# Altium PCB fpga.PcbDoc (part 1 of 11) (continued)
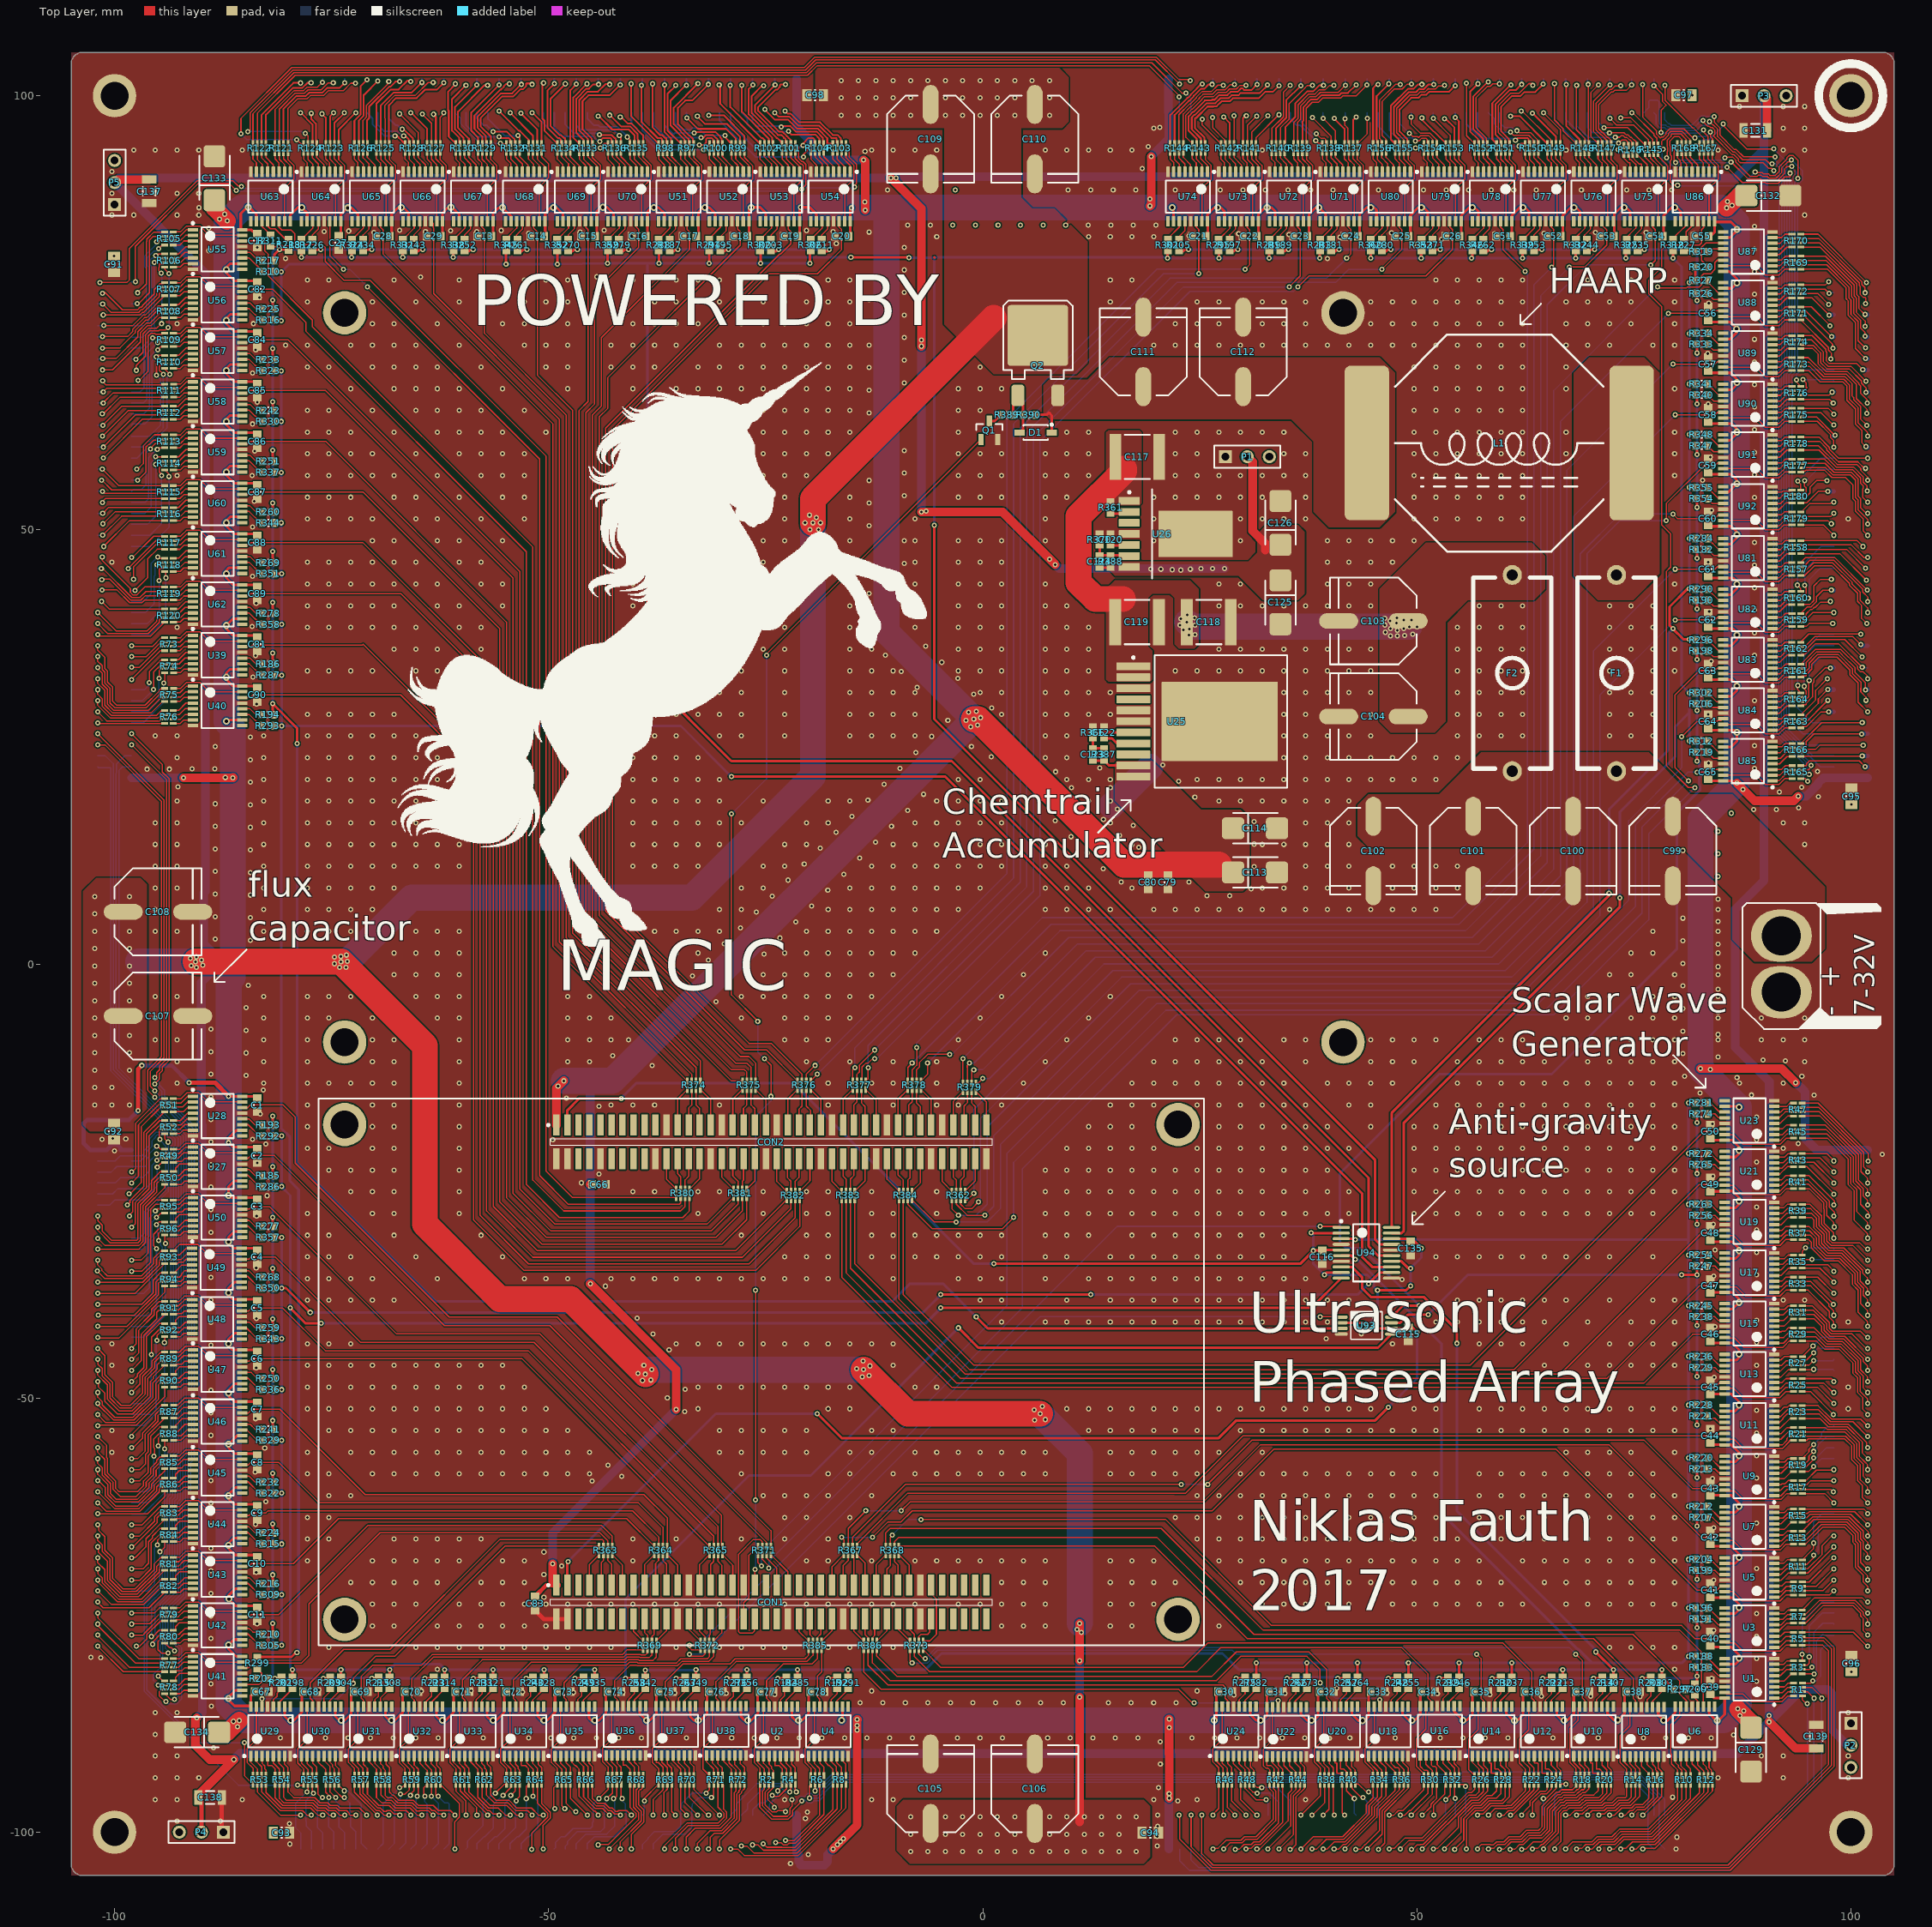
[diagram p0: Top Layer view]
## Components (designator, comment, footprint, x,y, rotation, side; value= is the part's Value field where it differs from the comment) (continued)
R10 "33" CAC-50P200X100-8N 80.772,-93.98 r270 top
R11 "33" CAC-50P200X100-8N 93.908,-69.4 r0 top
R12 "33" CAC-50P200X100-8N 83.312,-93.98 r270 top
R13 "33" CAC-50P200X100-8N 93.9,-66.086 r0 top
R14 "33" CAC-50P200X100-8N 74.93,-93.98 r270 top
R15 "33" CAC-50P200X100-8N 93.9,-63.538 r0 top
R16 "33" CAC-50P200X100-8N 77.466,-93.988 r270 top
R17 "33" CAC-50P200X100-8N 93.908,-60.256 r0 top
R18 "33" CAC-50P200X100-8N 69.084,-93.972 r270 top
R19 "33" CAC-50P200X100-8N 93.9,-57.72 r0 top
R20 "33" CAC-50P200X100-8N 71.628,-93.98 r270 top
R21 "33" CAC-50P200X100-8N 93.908,-54.144 r0 top
R22 "33" CAC-50P200X100-8N 63.242,-93.988 r270 top
R23 "33" CAC-50P200X100-8N 93.9,-51.608 r0 top
R24 "33" CAC-50P200X100-8N 65.786,-93.98 r270 top
R25 "33" CAC-50P200X100-8N 93.9,-48.51 r0 top
R26 "33" CAC-50P200X100-8N 57.404,-93.98 r270 top
R27 "33" CAC-50P200X100-8N 93.916,-45.978 r0 top
R28 "33" CAC-50P200X100-8N 59.944,-93.98 r270 top
R29 "33" CAC-50P200X100-8N 93.908,-42.672 r0 top
R30 "33" CAC-50P200X100-8N 51.55,-93.988 r270 top
R31 "33" CAC-50P200X100-8N 93.908,-40.132 r0 top
R32 "33" CAC-50P200X100-8N 54.114,-93.988 r270 top
R33 "33" CAC-50P200X100-8N 93.908,-36.83 r0 top
R34 "33" CAC-50P200X100-8N 45.716,-93.972 r270 top
R35 "33" CAC-50P200X100-8N 93.9,-34.286 r0 top
R36 "33" CAC-50P200X100-8N 48.256,-93.972 r270 top
R37 "33" CAC-50P200X100-8N 93.908,-30.988 r0 top
R38 "33" CAC-50P200X100-8N 39.624,-93.98 r270 top
R39 "33" CAC-50P200X100-8N 93.908,-28.448 r0 top
R40 "33" CAC-50P200X100-8N 42.16,-93.972 r270 top
R41 "33" CAC-50P200X100-8N 93.9,-25.134 r0 top
R42 "33" CAC-50P200X100-8N 33.794,-93.972 r270 top
R43 "33" CAC-50P200X100-8N 93.9,-22.602 r0 top
R44 "33" CAC-50P200X100-8N 36.318,-93.972 r270 top
R45 "33" CAC-50P200X100-8N 93.916,-19.316 r0 top
R46 "33" CAC-50P200X100-8N 27.94,-93.98 r270 top
R47 "33" CAC-50P200X100-8N 93.9,-16.776 r0 top
R48 "33" CAC-50P200X100-8N 30.468,-93.972 r270 top
R49 "33" CAC-50P200X100-8N -93.726,-22.098 r180 top
R50 "33" CAC-50P200X100-8N -93.726,-24.638 r180 top
R51 "33" CAC-50P200X100-8N -93.734,-16.268 r180 top
R52 "33" CAC-50P200X100-8N -93.726,-18.796 r180 top
R53 "33" CAC-50P200X100-8N -83.308,-93.972 r270 top
R54 "33" CAC-50P200X100-8N -80.768,-93.972 r270 top
R55 "33" CAC-50P200X100-8N -77.482,-93.988 r270 top
R56 "33" CAC-50P200X100-8N -74.93,-93.98 r270 top
R57 "33" CAC-50P200X100-8N -71.624,-93.972 r270 top
R58 "33" CAC-50P200X100-8N -69.088,-93.98 r270 top
R59 "33" CAC-50P200X100-8N -65.782,-93.972 r270 top
R60 "33" CAC-50P200X100-8N -63.246,-93.98 r270 top
R61 "33" CAC-50P200X100-8N -59.94,-93.988 r270 top
R62 "33" CAC-50P200X100-8N -57.404,-93.98 r270 top
R63 "33" CAC-50P200X100-8N -54.098,-93.972 r270 top
R64 "33" CAC-50P200X100-8N -51.558,-93.972 r270 top
R65 "33" CAC-50P200X100-8N -48.248,-93.972 r270 top
R66 "33" CAC-50P200X100-8N -45.732,-93.972 r270 top
R67 "33" CAC-50P200X100-8N -42.406,-93.972 r270 top
R68 "33" CAC-50P200X100-8N -39.874,-93.972 r270 top
R69 "33" CAC-50P200X100-8N -36.576,-93.98 r270 top
R70 "33" CAC-50P200X100-8N -34.036,-93.98 r270 top
R71 "33" CAC-50P200X100-8N -30.738,-93.972 r270 top
R72 "33" CAC-50P200X100-8N -28.194,-93.98 r270 top
R73 "33" CAC-50P200X100-8N -93.726,36.83 r180 top
R74 "33" CAC-50P200X100-8N -93.718,34.286 r180 top
R75 "33" CAC-50P200X100-8N -93.718,30.984 r180 top
R76 "33" CAC-50P200X100-8N -93.734,28.452 r180 top
R77 "33" CAC-50P200X100-8N -93.734,-80.768 r180 top
R78 "33" CAC-50P200X100-8N -93.726,-83.312 r180 top
R79 "33" CAC-50P200X100-8N -93.726,-74.93 r180 top
R80 "33" CAC-50P200X100-8N -93.734,-77.482 r180 top
R81 "33" CAC-50P200X100-8N -93.734,-69.1 r180 top
R82 "33" CAC-50P200X100-8N -93.734,-71.624 r180 top
R83 "33" CAC-50P200X100-8N -93.726,-63.246 r180 top
R84 "33" CAC-50P200X100-8N -93.726,-65.786 r180 top
R85 "33" CAC-50P200X100-8N -93.726,-57.404 r180 top
R86 "33" CAC-50P200X100-8N -93.734,-59.948 r180 top
R87 "33" CAC-50P200X100-8N -93.718,-51.566 r180 top
R88 "33" CAC-50P200X100-8N -93.718,-54.106 r180 top
R89 "33" CAC-50P200X100-8N -93.726,-45.466 r180 top
R90 "33" CAC-50P200X100-8N -93.718,-47.994 r180 top
R91 "33" CAC-50P200X100-8N -93.726,-39.624 r180 top
R92 "33" CAC-50P200X100-8N -93.718,-42.176 r180 top
R93 "33" CAC-50P200X100-8N -93.726,-33.782 r180 top
R94 "33" CAC-50P200X100-8N -93.726,-36.322 r180 top
R95 "33" CAC-50P200X100-8N -93.734,-27.952 r180 top
R96 "33" CAC-50P200X100-8N -93.726,-30.48 r180 top
R97 "33" CAC-50P200X100-8N -34.032,93.988 r90 top
R98 "33" CAC-50P200X100-8N -36.58,93.972 r90 top
R99 "33" CAC-50P200X100-8N -28.194,93.98 r90 top
R100 "33" CAC-50P200X100-8N -30.73,93.988 r90 top
R101 "33" CAC-50P200X100-8N -22.352,93.98 r90 top
R102 "33" CAC-50P200X100-8N -24.892,93.98 r90 top
R103 "33" CAC-50P200X100-8N -16.51,93.98 r90 top
R104 "33" CAC-50P200X100-8N -19.054,93.988 r90 top
R105 "33" CAC-50P200X100-8N -93.734,83.554 r180 top
R106 "33" CAC-50P200X100-8N -93.726,81.026 r180 top
R107 "33" CAC-50P200X100-8N -93.726,77.724 r180 top
R108 "33" CAC-50P200X100-8N -93.726,75.184 r180 top
R109 "33" CAC-50P200X100-8N -93.726,71.882 r180 top
R110 "33" CAC-50P200X100-8N -93.726,69.342 r180 top
R111 "33" CAC-50P200X100-8N -93.718,66.036 r180 top
R112 "33" CAC-50P200X100-8N -93.734,63.496 r180 top
R113 "33" CAC-50P200X100-8N -93.726,60.198 r180 top
R114 "33" CAC-50P200X100-8N -93.726,57.658 r180 top
R115 "33" CAC-50P200X100-8N -93.734,54.344 r180 top
R116 "33" CAC-50P200X100-8N -93.726,51.816 r180 top
R117 "33" CAC-50P200X100-8N -93.726,48.514 r180 top
R118 "33" CAC-50P200X100-8N -93.734,45.962 r180 top
R119 "33" CAC-50P200X100-8N -93.726,42.672 r180 top
R120 "33" CAC-50P200X100-8N -93.726,40.132 r180 top
R121 "33" CAC-50P200X100-8N -80.784,93.972 r90 top
R122 "33" CAC-50P200X100-8N -83.312,93.98 r90 top
R123 "33" CAC-50P200X100-8N -74.93,93.98 r90 top
R124 "33" CAC-50P200X100-8N -77.47,93.98 r90 top
R125 "33" CAC-50P200X100-8N -69.088,93.98 r90 top
R126 "33" CAC-50P200X100-8N -71.632,93.988 r90 top
R127 "33" CAC-50P200X100-8N -63.246,93.98 r90 top
R128 "33" CAC-50P200X100-8N -65.786,93.98 r90 top
R129 "33" CAC-50P200X100-8N -57.404,93.98 r90 top
R130 "33" CAC-50P200X100-8N -59.944,93.98 r90 top
R131 "33" CAC-50P200X100-8N -51.562,93.98 r90 top
R132 "33" CAC-50P200X100-8N -54.102,93.98 r90 top
R133 "33" CAC-50P200X100-8N -45.716,93.972 r90 top
R134 "33" CAC-50P200X100-8N -48.256,93.988 r90 top
R135 "33" CAC-50P200X100-8N -39.878,93.98 r90 top
R136 "33" CAC-50P200X100-8N -42.422,93.988 r90 top
R137 "33" CAC-50P200X100-8N 42.418,93.98 r90 top
R138 "33" CAC-50P200X100-8N 39.882,93.988 r90 top
R139 "33" CAC-50P200X100-8N 36.572,93.972 r90 top
R140 "33" CAC-50P200X100-8N 34.04,93.972 r90 top
R141 "33" CAC-50P200X100-8N 30.734,93.98 r90 top
R142 "33" CAC-50P200X100-8N 28.19,93.988 r90 top
R143 "33" CAC-50P200X100-8N 24.892,93.98 r90 top
R144 "33" CAC-50P200X100-8N 22.352,93.98 r90 top
R145 "33" CAC-50P200X100-8N 77.038,93.828 r90 top
R146 "33" CAC-50P200X100-8N 74.613,93.759 r90 top
R147 "33" CAC-50P200X100-8N 71.64,93.988 r90 top
R148 "33" CAC-50P200X100-8N 69.1,93.972 r90 top
R149 "33" CAC-50P200X100-8N 65.786,93.98 r90 top
R150 "33" CAC-50P200X100-8N 63.246,93.98 r90 top
R151 "33" CAC-50P200X100-8N 59.944,93.98 r90 top
R152 "33" CAC-50P200X100-8N 57.404,93.98 r90 top
R153 "33" CAC-50P200X100-8N 54.098,93.988 r90 top
R154 "33" CAC-50P200X100-8N 51.566,93.988 r90 top
R155 "33" CAC-50P200X100-8N 48.26,93.98 r90 top
R156 "33" CAC-50P200X100-8N 45.72,93.98 r90 top
R157 "33" CAC-50P200X100-8N 93.718,45.478 r0 top
R158 "33" CAC-50P200X100-8N 93.726,48.006 r0 top
R159 "33" CAC-50P200X100-8N 93.726,39.624 r0 top
R160 "33" CAC-50P200X100-8N 93.718,42.152 r0 top
R161 "33" CAC-50P200X100-8N 93.726,33.782 r0 top
R162 "33" CAC-50P200X100-8N 93.718,36.31 r0 top
R163 "33" CAC-50P200X100-8N 93.726,27.94 r0 top
R164 "33" CAC-50P200X100-8N 93.726,30.48 r0 top
R165 "33" CAC-50P200X100-8N 93.734,22.094 r0 top
R166 "33" CAC-50P200X100-8N 93.734,24.65 r0 top
R167 "33" CAC-50P200X100-8N 83.312,93.98 r90 top
R168 "33" CAC-50P200X100-8N 80.76,93.972 r90 top
R169 "33" CAC-50P200X100-8N 93.734,80.776 r0 top
R170 "33" CAC-50P200X100-8N 93.726,83.312 r0 top
R171 "33" CAC-50P200X100-8N 93.726,74.93 r0 top
R172 "33" CAC-50P200X100-8N 93.726,77.47 r0 top
R173 "33" CAC-50P200X100-8N 93.726,69.088 r0 top
R174 "33" CAC-50P200X100-8N 93.726,71.628 r0 top
R175 "33" CAC-50P200X100-8N 93.726,63.246 r0 top
R176 "33" CAC-50P200X100-8N 93.726,65.786 r0 top
R177 "33" CAC-50P200X100-8N 93.726,57.404 r0 top
R178 "33" CAC-50P200X100-8N 93.726,59.944 r0 top
R179 "33" CAC-50P200X100-8N 93.726,51.308 r0 top
R180 "33" CAC-50P200X100-8N 93.726,53.848 r0 top
R181 "47" R-0603-H 40.132,82.804 r90 top
R182 "47" R-0603-H 82.804,47.752 r0 top
R183 "47" R-0603-H 82.804,-81.026 r0 top
R184 "47" R-0603-H -22.606,-82.804 r270 top
R185 "47" R-0603-H -82.296,-24.384 r180 top
R186 "47" R-0603-H -82.296,34.544 r180 top
R187 "47" R-0603-H -36.068,82.804 r90 top
R188 "47" R-0603-H 82.804,-79.756 r0 top
R189 "47" R-0603-H 34.29,82.804 r90 top
R190 "47" R-0603-H 82.804,41.91 r0 top
R191 "47" R-0603-H 82.804,-75.438 r0 top
R192 "47" R-0603-H -16.764,-82.804 r270 top
R193 "47" R-0603-H -82.296,-18.542 r180 top
R194 "47" R-0603-H -82.358,28.702 r180 top
R195 "47" R-0603-H -30.226,82.804 r90 top
R196 "47" R-0603-H 82.804,-74.168 r0 top
R197 "47" R-0603-H 28.448,82.804 r90 top
R198 "47" R-0603-H 82.804,36.068 r0 top
R199 "47" R-0603-H 82.804,-69.85 r0 top
R200 "47" R-0603-H 82.042,-83.566 r270 top
R201 "47" R-0603-H -80.772,-82.804 r270 top
R202 "47" R-0603-H -83.058,-82.296 r180 top
R203 "47" R-0603-H -24.384,82.804 r90 top
R204 "47" R-0603-H 82.804,-68.58 r0 top
R205 "47" R-0603-H 22.606,82.804 r90 top
R206 "47" R-0603-H 82.804,29.972 r0 top
R207 "47" R-0603-H 82.804,-63.754 r0 top
R208 "47" R-0603-H 76.962,-82.804 r270 top
R209 "47" R-0603-H -75.184,-82.804 r270 top
R210 "47" R-0603-H -82.296,-77.216 r180 top
R211 "47" R-0603-H -18.542,82.804 r90 top
R212 "47" R-0603-H 82.804,-62.484 r0 top
R213 "47" R-0603-H 82.804,-58.166 r0 top
R214 "47" R-0603-H 71.374,-82.804 r270 top
R215 "47" R-0603-H -69.596,-82.804 r270 top
R216 "47" R-0603-H -82.296,-71.374 r180 top
R217 "47" R-0603-H -82.296,81.026 r180 top
R218 "47" R-0603-H -79.959,82.829 r90 top
R219 "47" R-0603-H 82.804,24.384 r0 top
R220 "47" R-0603-H 82.804,-56.896 r0 top
R221 "47" R-0603-H 82.804,-52.07 r0 top
R222 "47" R-0603-H 65.532,-82.804 r270 top
R223 "47" R-0603-H -63.246,-82.804 r270 top
R224 "47" R-0603-H -82.296,-65.532 r180 top
R225 "47" R-0603-H -82.296,75.438 r180 top
R226 "47" R-0603-H -77.216,82.804 r90 top
R227 "47" R-0603-H 80.772,82.804 r90 top
R228 "47" R-0603-H 82.804,-50.8 r0 top
R229 "47" R-0603-H 82.804,-46.482 r0 top
R230 "47" R-0603-H 59.69,-82.804 r270 top
R231 "47" R-0603-H -57.658,-82.804 r270 top
R232 "47" R-0603-H -82.296,-59.69 r180 top
R233 "47" R-0603-H -82.296,69.596 r180 top
R234 "47" R-0603-H -71.374,82.804 r90 top
R235 "47" R-0603-H 75.438,82.804 r90 top
R236 "47" R-0603-H 82.804,-45.212 r0 top
R237 "47" R-0603-H 60.96,-82.804 r270 top
R238 "47" R-0603-H 82.804,-40.64 r0 top
R239 "47" R-0603-H 53.594,-82.804 r270 top
R240 "47" R-0603-H -51.816,-82.804 r270 top
R241 "47" R-0603-H -82.296,-53.594 r180 top
R242 "47" R-0603-H -82.296,63.754 r180 top
R243 "47" R-0603-H -65.532,82.804 r90 top
R244 "47" R-0603-H 69.596,82.804 r90 top
R245 "47" R-0603-H 82.804,-39.37 r0 top
R246 "47" R-0603-H 54.864,-82.804 r270 top
R247 "47" R-0603-H 82.804,-34.798 r0 top
R248 "47" R-0603-H 47.752,-82.804 r270 top
R249 "47" R-0603-H -45.974,-82.804 r270 top
R250 "47" R-0603-H -82.296,-47.752 r180 top
R251 "47" R-0603-H -82.296,57.912 r180 top
R252 "47" R-0603-H -59.69,82.804 r90 top
R253 "47" R-0603-H 63.5,82.804 r90 top
R254 "47" R-0603-H 82.804,-33.528 r0 top
R255 "47" R-0603-H 49.022,-82.804 r270 top
R256 "47" R-0603-H 82.804,-28.956 r0 top
R257 "47" R-0603-H 41.91,-82.804 r270 top
R258 "47" R-0603-H -40.132,-82.804 r270 top
R259 "47" R-0603-H -82.296,-41.91 r180 top
R260 "47" R-0603-H -82.296,52.07 r180 top
R261 "47" R-0603-H -53.594,82.804 r90 top
R262 "47" R-0603-H 57.658,82.804 r90 top
R263 "47" R-0603-H 82.804,-27.686 r0 top
R264 "47" R-0603-H 43.18,-82.804 r270 top
R265 "47" R-0603-H 82.804,-23.114 r0 top
R266 "47" R-0603-H 36.068,-82.804 r270 top
R267 "47" R-0603-H -34.29,-82.804 r270 top
R268 "47" R-0603-H -82.296,-36.068 r180 top
R269 "47" R-0603-H -82.296,46.228 r180 top
R270 "47" R-0603-H -47.752,82.804 r90 top
R271 "47" R-0603-H 51.816,82.804 r90 top
R272 "47" R-0603-H 82.804,-21.844 r0 top
R273 "47" R-0603-H 37.338,-82.804 r270 top
R274 "47" R-0603-H 82.804,-17.272 r0 top
R275 "47" R-0603-H 30.226,-82.804 r270 top
R276 "47" R-0603-H -28.448,-82.804 r270 top
R277 "47" R-0603-H -82.296,-30.226 r180 top
R278 "47" R-0603-H -82.296,40.386 r180 top
R279 "47" R-0603-H -41.91,82.804 r90 top
R280 "47" R-0603-H 45.974,82.804 r90 top
R281 "47" R-0603-H 82.804,-16.002 r0 top
R282 "47" R-0603-H 31.496,-82.804 r270 top
R283 "47" R-0603-H 38.862,82.804 r90 top
R284 "47" R-0603-H 82.804,49.022 r0 top
R285 "47" R-0603-H -21.336,-82.804 r270 top
R286 "47" R-0603-H -82.296,-25.654 r180 top
R287 "47" R-0603-H -82.296,33.274 r180 top
R288 "47" R-0603-H -37.338,82.804 r90 top
R289 "47" R-0603-H 33.02,82.804 r90 top
R290 "47" R-0603-H 82.804,43.18 r0 top
R291 "47" R-0603-H -15.494,-82.804 r270 top
R292 "47" R-0603-H -82.296,-19.812 r180 top
R293 "47" R-0603-H -82.358,27.432 r180 top
R294 "47" R-0603-H -31.496,82.804 r90 top
R295 "47" R-0603-H 27.178,82.804 r90 top
R296 "47" R-0603-H 82.804,37.338 r0 top
R297 "47" R-0603-H 80.264,-83.566 r0 top
R298 "47" R-0603-H -79.502,-82.804 r270 top
R299 "47" R-0603-H -83.566,-80.518 r270 top
R300 "47" R-0603-H -25.654,82.804 r90 top
R301 "47" R-0603-H 21.336,82.804 r90 top
R302 "47" R-0603-H 82.804,31.242 r0 top
R303 "47" R-0603-H 78.232,-82.804 r270 top
R304 "47" R-0603-H -73.914,-82.804 r270 top
R305 "47" R-0603-H -82.296,-78.486 r180 top
R306 "47" R-0603-H -19.812,82.804 r90 top
R307 "47" R-0603-H 72.644,-82.804 r270 top
R308 "47" R-0603-H -68.326,-82.804 r270 top
R309 "47" R-0603-H -82.296,-72.644 r180 top
R310 "47" R-0603-H -82.296,79.756 r180 top
R311 "47" R-0603-H -82.042,83.312 r90 top
R312 "47" R-0603-H 82.804,25.654 r0 top
R313 "47" R-0603-H 66.802,-82.804 r270 top
R314 "47" R-0603-H -61.976,-82.804 r270 top
R315 "47" R-0603-H -82.296,-66.802 r180 top
R316 "47" R-0603-H -82.296,74.168 r180 top
R317 "47" R-0603-H -78.486,82.804 r90 top
R318 "47" R-0603-H 79.502,82.804 r90 top
R319 "47" R-0603-H 82.804,82.042 r0 top
R320 "47" R-0603-H 82.804,80.264 r0 top
R321 "47" R-0603-H -56.388,-82.804 r270 top
R322 "47" R-0603-H -82.296,-60.96 r180 top
R323 "47" R-0603-H -82.296,68.326 r180 top
R324 "47" R-0603-H -72.644,82.804 r90 top
R325 "47" R-0603-H 74.168,82.804 r90 top
R326 "47" R-0603-H 82.804,77.216 r0 top
R327 "47" R-0603-H 82.804,78.74 r0 top
R328 "47" R-0603-H -50.546,-82.804 r270 top
R329 "47" R-0603-H -82.296,-54.864 r180 top
R330 "47" R-0603-H -82.296,62.484 r180 top
R331 "47" R-0603-H -66.802,82.804 r90 top
R332 "47" R-0603-H 68.326,82.804 r90 top
R333 "47" R-0603-H 82.804,71.374 r0 top
R334 "47" R-0603-H 82.804,72.644 r0 top
R335 "47" R-0603-H -44.704,-82.804 r270 top
R336 "47" R-0603-H -82.296,-49.022 r180 top
R337 "47" R-0603-H -82.296,56.642 r180 top
R338 "47" R-0603-H -60.96,82.804 r90 top
R339 "47" R-0603-H 62.23,82.804 r90 top
R340 "47" R-0603-H 82.804,65.532 r0 top
R341 "47" R-0603-H 82.804,66.802 r0 top
R342 "47" R-0603-H -38.862,-82.804 r270 top
R343 "47" R-0603-H -82.296,-43.18 r180 top
R344 "47" R-0603-H -82.296,50.8 r180 top
R345 "47" R-0603-H -54.864,82.804 r90 top
R346 "47" R-0603-H 56.388,82.804 r90 top
R347 "47" R-0603-H 82.804,59.69 r0 top
R348 "47" R-0603-H 82.804,60.96 r0 top
R349 "47" R-0603-H -33.02,-82.804 r270 top
R350 "47" R-0603-H -82.296,-37.338 r180 top
R351 "47" R-0603-H -82.296,44.958 r180 top
R352 "47" R-0603-H -49.022,82.804 r90 top
R353 "47" R-0603-H 50.546,82.804 r90 top
R354 "47" R-0603-H 82.804,53.594 r0 top
R355 "47" R-0603-H 82.804,54.864 r0 top
R356 "47" R-0603-H -27.178,-82.804 r270 top
R357 "47" R-0603-H -82.296,-31.496 r180 top
R358 "47" R-0603-H -82.296,39.116 r180 top
R359 "47" R-0603-H -43.18,82.804 r90 top
R360 "47" R-0603-H 44.704,82.804 r90 top
R361 "100k" R-0603-H 14.732,52.578 r270 top
R362 "33" CAC-50P200X100-8N -2.794,-26.67 r270 top
R363 "33" CAC-50P200X100-8N -43.434,-67.564 r90 top
R364 "33" CAC-50P200X100-8N -37.084,-67.564 r90 top
R365 "33" CAC-50P200X100-8N -30.734,-67.564 r90 top
R366 "1k" R-0603-H 12.7,26.67 r270 top
R367 "33" CAC-50P200X100-8N -15.24,-67.564 r90 top
R368 "33" CAC-50P200X100-8N -10.414,-67.564 r90 top
R369 "33" CAC-50P200X100-8N -38.354,-78.486 r270 top
R370 "1k" R-0603-H 13.462,48.895 r270 top
R371 "33" CAC-50P200X100-8N -25.146,-67.564 r90 top
R372 "33" CAC-50P200X100-8N -31.75,-78.486 r270 top
R373 "33" CAC-50P200X100-8N -7.62,-78.486 r270 top
R374 "33" CAC-50P200X100-8N -33.274,-13.97 r90 top
R375 "33" CAC-50P200X100-8N -26.924,-13.97 r90 top
R376 "33" CAC-50P200X100-8N -20.574,-13.97 r90 top
R377 "33" CAC-50P200X100-8N -14.224,-13.97 r90 top
R378 "33" CAC-50P200X100-8N -7.874,-13.97 r90 top
R379 "33" CAC-50P200X100-8N -1.524,-14.224 r90 top
R380 "33" CAC-50P200X100-8N -34.544,-26.416 r270 top
R381 "33" CAC-50P200X100-8N -27.94,-26.416 r270 top
R382 "33" CAC-50P200X100-8N -21.844,-26.67 r270 top
R383 "33" CAC-50P200X100-8N -15.494,-26.67 r270 top
R384 "33" CAC-50P200X100-8N -8.89,-26.67 r270 top
R385 "33" CAC-50P200X100-8N -19.304,-78.486 r270 top
R386 "33" CAC-50P200X100-8N -12.954,-78.486 r270 top
R387 "1k" R-0603-H 13.97,24.13 r270 top
R388 "1k" R-0603-H 14.732,46.355 r270 top
R389 "1k" R-0603-H 2.794,63.246 r0 top
R390 "100k" R-0603-H 5.334,63.246 r180 top
U1 "SN74HC595PWR" PW0016A_L 88.32,-82.296 r180 top
U2 "SN74HC595PWR" PW0016A_L -23.622,-88.392 r90 top
U3 "SN74HC595PWR" PW0016A_L 88.32,-76.454 r180 top
U4 "SN74HC595PWR" PW0016A_L -17.78,-88.392 r90 top
U5 "SN74HC595PWR" PW0016A_L 88.32,-70.67 r180 top
U6 "SN74HC595PWR" PW0016A_L 82.042,-88.392 r90 top
U7 "SN74HC595PWR" PW0016A_L 88.32,-64.812 r180 top
U8 "SN74HC595PWR" PW0016A_L 76.189,-88.448 r90 top
U9 "SN74HC595PWR" PW0016A_L 88.32,-58.986 r180 top
U10 "SN74HC595PWR" PW0016A_L 70.358,-88.392 r90 top
U11 "SN74HC595PWR" PW0016A_L 88.32,-53.128 r180 top
U12 "SN74HC595PWR" PW0016A_L 64.516,-88.392 r90 top
U13 "SN74HC595PWR" PW0016A_L 88.32,-47.244 r180 top
U14 "SN74HC595PWR" PW0016A_L 58.674,-88.392 r90 top
U15 "SN74HC595PWR" PW0016A_L 88.32,-41.402 r180 top
U16 "SN74HC595PWR" PW0016A_L 52.679,-88.336 r90 top
U17 "SN74HC595PWR" PW0016A_L 88.32,-35.56 r180 top
U18 "SN74HC595PWR" PW0016A_L 46.736,-88.392 r90 top
U19 "SN74HC595PWR" PW0016A_L 88.32,-29.718 r180 top
U20 "SN74HC595PWR" PW0016A_L 40.894,-88.392 r90 top
U21 "SN74HC595PWR" PW0016A_L 88.32,-23.876 r180 top
U22 "SN74HC595PWR" PW0016A_L 35.011,-88.448 r90 top
U23 "SN74HC595PWR" PW0016A_L 88.32,-18.034 r180 top
U24 "SN74HC595PWR" PW0016A_L 29.21,-88.392 r90 top
U25 "LMZ13610TZ/NOPB" NDY0011A_M 25.055,27.94 r0 top
U26 "LMZ14203HTZ/NOPB" NDW0007A_V 22.225,49.53 r0 top
U27 "SN74HC595PWR" PW0016A_L -88.138,-23.368 r0 top
U28 "SN74HC595PWR" PW0016A_L -88.138,-17.526 r0 top
U29 "SN74HC595PWR" PW0016A_L -82.042,-88.392 r90 top
U30 "SN74HC595PWR" PW0016A_L -76.2,-88.392 r90 top
U31 "SN74HC595PWR" PW0016A_L -70.358,-88.392 r90 top
U32 "SN74HC595PWR" PW0016A_L -64.516,-88.392 r90 top
U33 "SN74HC595PWR" PW0016A_L -58.674,-88.392 r90 top
U34 "SN74HC595PWR" PW0016A_L -52.832,-88.392 r90 top
U35 "SN74HC595PWR" PW0016A_L -46.99,-88.392 r90 top
U36 "SN74HC595PWR" PW0016A_L -41.107,-88.336 r90 top
U37 "SN74HC595PWR" PW0016A_L -35.347,-88.336 r90 top
U38 "SN74HC595PWR" PW0016A_L -29.535,-88.336 r90 top
U39 "SN74HC595PWR" PW0016A_L -88.138,35.56 r0 top
U40 "SN74HC595PWR" PW0016A_L -88.138,29.718 r0 top
U41 "SN74HC595PWR" PW0016A_L -88.138,-82.042 r0 top
U42 "SN74HC595PWR" PW0016A_L -88.138,-76.2 r0 top
U43 "SN74HC595PWR" PW0016A_L -88.138,-70.358 r0 top
U44 "SN74HC595PWR" PW0016A_L -88.138,-64.516 r0 top
U45 "SN74HC595PWR" PW0016A_L -88.138,-58.674 r0 top
U46 "SN74HC595PWR" PW0016A_L -88.138,-52.705 r0 top
U47 "SN74HC595PWR" PW0016A_L -88.138,-46.736 r0 top
U48 "SN74HC595PWR" PW0016A_L -88.194,-40.935 r0 top
U49 "SN74HC595PWR" PW0016A_L -88.214,-35.001 r0 top
U50 "SN74HC595PWR" PW0016A_L -88.138,-29.21 r0 top
U51 "SN74HC595PWR" PW0016A_L -35.052,88.392 r270 top
U52 "SN74HC595PWR" PW0016A_L -29.21,88.392 r270 top
U53 "SN74HC595PWR" PW0016A_L -23.368,88.392 r270 top
U54 "SN74HC595PWR" PW0016A_L -17.526,88.392 r270 top
U55 "SN74HC595PWR" PW0016A_L -88.138,82.296 r0 top
U56 "SN74HC595PWR" PW0016A_L -88.138,76.454 r0 top
U57 "SN74HC595PWR" PW0016A_L -88.138,70.612 r0 top
U58 "SN74HC595PWR" PW0016A_L -88.138,64.77 r0 top
U59 "SN74HC595PWR" PW0016A_L -88.138,58.928 r0 top
U60 "SN74HC595PWR" PW0016A_L -88.138,53.086 r0 top
U61 "SN74HC595PWR" PW0016A_L -88.138,47.244 r0 top
U62 "SN74HC595PWR" PW0016A_L -88.138,41.402 r0 top
U63 "SN74HC595PWR" PW0016A_L -82.042,88.392 r270 top
U64 "SN74HC595PWR" PW0016A_L -76.2,88.392 r270 top
U65 "SN74HC595PWR" PW0016A_L -70.358,88.392 r270 top
U66 "SN74HC595PWR" PW0016A_L -64.516,88.392 r270 top
U67 "SN74HC595PWR" PW0016A_L -58.674,88.392 r270 top
U68 "SN74HC595PWR" PW0016A_L -52.705,88.392 r270 top
U69 "SN74HC595PWR" PW0016A_L -46.736,88.392 r270 top
U70 "SN74HC595PWR" PW0016A_L -40.894,88.392 r270 top
U71 "SN74HC595PWR" PW0016A_L 41.148,88.392 r270 top
U72 "SN74HC595PWR" PW0016A_L 35.306,88.392 r270 top
U73 "SN74HC595PWR" PW0016A_L 29.464,88.392 r270 top
U74 "SN74HC595PWR" PW0016A_L 23.622,88.392 r270 top
U75 "SN74HC595PWR" PW0016A_L 76.2,88.392 r270 top
U76 "SN74HC595PWR" PW0016A_L 70.358,88.392 r270 top
U77 "SN74HC595PWR" PW0016A_L 64.516,88.392 r270 top
U78 "SN74HC595PWR" PW0016A_L 58.674,88.392 r270 top
U79 "SN74HC595PWR" PW0016A_L 52.832,88.392 r270 top
U80 "SN74HC595PWR" PW0016A_L 46.99,88.392 r270 top
U81 "SN74HC595PWR" PW0016A_L 88.138,46.736 r180 top
U82 "SN74HC595PWR" PW0016A_L 88.138,40.894 r180 top
U83 "SN74HC595PWR" PW0016A_L 88.138,35.052 r180 top
U84 "SN74HC595PWR" PW0016A_L 88.138,29.21 r180 top
U85 "SN74HC595PWR" PW0016A_L 88.138,23.368 r180 top
U86 "SN74HC595PWR" PW0016A_L 82.042,88.392 r270 top
U87 "SN74HC595PWR" PW0016A_L 88.138,82.042 r180 top
U88 "SN74HC595PWR" PW0016A_L 88.138,76.2 r180 top
U89 "SN74HC595PWR" PW0016A_L 88.138,70.358 r180 top
U90 "SN74HC595PWR" PW0016A_L 88.138,64.516 r180 top
U91 "SN74HC595PWR" PW0016A_L 88.138,58.674 r180 top
U92 "SN74HC595PWR" PW0016A_L 88.138,52.705 r180 top
U93 "CDCLVC1104" TSSOP65P640X120-8N 44.196,-41.656 r0 top
U94 "CDCLVC1110" TSSOP20 44.196,-33.274 r0 top

## Footprints (in the part's own frame and the unit in brackets; to place one, negate y for a bottom-side part, rotate by r counter-clockwise, add the part's x,y. Pads: shape width x height; smd on the part's side, far side on the other; paste and mask are expansions set on the pad)
C-0603-H [mm] "Chip Resistor, Body 1.6x0.8mm, IPC High Density"
  rect 0.7x0.9 smd: 1(-0.7,0) 2(0.7,0)
  silkscreen extent -0.05,-0.35 0.05,0.35, body extent -0.85,-0.45 0.85,0.45, height 0.9
C-0603-M [mm] "Chip Resistor, Body 1.6x0.8mm, IPC Medium Density"
  rect 0.9x1 smd: 1(-0.8,0) 2(0.8,0)
  silkscreen extent -0.05,-0.4 0.05,0.4, body extent -0.85,-0.45 0.85,0.45, height 0.9
C-0805-M [mm] "Chip Resistor, Body 2.0x1.3mm, IPC Medium Density"
  rect 1.05x1.4 smd: 1(-0.95,0) 2(0.95,0)
  silkscreen extent -0.05,-0.6 0.05,0.6, body extent -1.1,-0.72 1.1,0.73, height 1.35
C-1206-H [mm] "Chip Resistor, Body 3.2x1.6mm, IPC High Density"
  rect 0.95x1.7 smd: 1(-1.35,0) 2(1.35,0)
  silkscreen extent -0.5,-0.75 0.5,0.75, body extent -1.7,-0.9 1.7,0.9, height 1
C-2220 [mm]
  rect 1.35x5.3 smd: 1(-2.525,0) 2(2.525,0)
  silkscreen extent -1.45,-2.55 1.45,2.55, body extent -3.05,-2.7 3.05,2.7, height 2.5
"C-TANT-C 2.8mm" [mm]
  rrect30% 2.55x2.5 smd: 1(2.525,0) 2(-2.525,0)
  silkscreen extent -2.5,-1.75 2.6,1.75, body extent -3.15,-1.75 3.15,1.75, height 2.8
CAC-50P200X100-8N [mm] "Chip Array, Concave, 8-Leads, Pitch 0,50mm,  Body 2,00x1,00mm,  IPC Medium Density"
  rect 0.8x0.3 smd: 1(-0.5,0.75) 2(-0.5,0.25) 3(-0.5,-0.25) 4(-0.5,-0.75) 5(0.5,-0.75) 6(0.5,-0.25) 7(0.5,0.25) 8(0.5,0.75)
  body extent -0.6,-1.05 0.6,1.05, height 0.55
DPAK [mm]
  rrect50% 1.5x2.5 smd: 1(-2.3,-6.9) 3(2.3,-6.9)
  rrect10% 7x7 smd: 2(0,0)
  silkscreen extent -4,-5 4,4, body extent -3.29,-7.2 3.29,2.5, height 2.3
FUSE-22.5 [mm]
  oval 2.3x2.2 hole 1.3: 1(-11.3,0) 2(11.3,0)
  silkscreen extent -11,-4.5 11,4.5, body extent -11.58,-4.5 11.58,4.5, height 13.44
HDR1X3 [mm] "Connector; Header; 3 Position"
  rect 1.5x1.5 hole 0.9: 1(0,0)
  round 1.5 hole 0.9: 2(2.54,0) 3(5.08,0)
  silkscreen extent -1.27,-1.27 6.35,1.27
IND_SMD_TOROID_1.2x1.0in [mm] "Inductor, Toroid, 30.5mm L x 25.4mm W x 13.5mm T"
  round 2.54 on Mech15: 0(0,0)
  rrect25% 5.1x17.8 smd: 1(-15.25,0) 2(15.25,0)
  silkscreen extent -12,-12.5 12,12.5, body extent -17,-12.5 17,12.5, height 12
NDW0007A_V [mm] "D2-PAK, 8-Leads, Body 9.9x10.2mm, Pitch 1.27mm, Lead Span 13.8mm, TI Recommended"
  rrect11% 2.41x0.89 smd: 1(-5.35,3.81) 2(-5.35,2.54) 3(-5.35,1.27) 4(-5.35,0) 5(-5.35,-1.27) 6(-5.35,-2.54) 7(-5.35,-3.81)
  rrect2% 8.54x5.35 smd: 8(2.28,0)
  silkscreen extent -5.47,-5.15 -2.7,5.15, body extent -2.55,-5.2 7.55,5.2, height 4.67
NDY0011A_M [mm] "DPAK, 11-Leads, Body 15.25x15.25mm, Pitch 1.27mm, IPC Low Density"
  rrect11% 3.9x0.9 smd: 1(-7.7,6.35) 2(-7.7,5.08) 3(-7.7,3.81) 4(-7.7,2.54) 5(-7.7,1.27) 6(-7.7,0) 7(-7.7,-1.27) 8(-7.7,-2.54) 9(-7.7,-3.81) 10(-7.7,-5.08) 11(-7.7,-6.35)
  rrect1% 13.37x9.126 smd: 12(2.25,0)
  silkscreen extent -7.82,-7.63 10,7.63, body extent -7.78,-7.5 10,7.5, height 6.11
PW0016A_L [mm] "SOP, 16-Leads, Body 5.1x4.5mm, Pitch 0.65mm, IPC High Density"
  rrect25% 1.2x0.4 smd: 1(-2.85,2.275) 2(-2.85,1.625) 3(-2.85,0.975) 4(-2.85,0.325) 5(-2.85,-0.325) 6(-2.85,-0.975) 7(-2.85,-1.625) 8(-2.85,-2.275) 9(2.85,-2.275) 10(2.85,-1.625) 11(2.85,-0.975) 12(2.85,-0.325) 13(2.85,0.325) 14(2.85,0.975) 15(2.85,1.625) 16(2.85,2.275)
  silkscreen extent -2.98,-2.55 1.85,3.15, body extent -3.21,-2.5 3.21,2.5, height 1
R-0603-H [mm] "Chip Resistor, Body 1.6x0.8mm, IPC High Density"
  rect 0.7x0.9 smd: 1(-0.7,0) 2(0.7,0)
  silkscreen extent -0.05,-0.35 0.05,0.35, body extent -0.87,-0.47 0.88,0.48, height 0.55
SMD-10x10 [mm]
  oval 4.5x1.8 smd: 1(-4,0) 2(4,0)
  silkscreen extent -5,-5 5,5, body extent -5.45,-5.15 5.45,5.15, height 10
SOD123 [mm]
  rect 1.2x0.7 smd: 1(-1.85,0) 2(1.85,0)
  silkscreen extent -1.43,-0.85 1.97,1.02, body extent -1.93,-0.85 1.93,0.85, height 1.42
SOP127P640X300-100L [mm] "SOP, 100-Leads, Body 63.55x1.50mm, Pitch 1.27mm, IPC High Density"
  rect 2.4x0.74 smd: 1(-1.95,31.115) 2(1.95,31.115) 3(-1.95,29.845) 4(1.95,29.845) 5(-1.95,28.575) 6(1.95,28.575) 7(-1.95,27.305) 8(1.95,27.305) 9(-1.95,26.035) 10(1.95,26.035) 11(-1.95,24.765) 12(1.95,24.765) 13(-1.95,23.495) 14(1.95,23.495) 15(-1.95,22.225) 16(1.95,22.225) 17(-1.95,20.955) 18(1.95,20.955) 19(-1.95,19.685) 20(1.95,19.685) 21(-1.95,18.415) 22(1.95,18.415) 23(-1.95,17.145) 24(1.95,17.145) 25(-1.95,15.875) 26(1.95,15.875) 27(-1.95,14.605) 28(1.95,14.605) 29(-1.95,13.335) 30(1.95,13.335) 31(-1.95,12.065) 32(1.95,12.065) 33(-1.95,10.795) 34(1.95,10.795) 35(-1.95,9.525) 36(1.95,9.525) 37(-1.95,8.255) 38(1.95,8.255) 39(-1.95,6.985) 40(1.95,6.985) 41(-1.95,5.715) 42(1.95,5.715) 43(-1.95,4.445) 44(1.95,4.445) 45(-1.95,3.175) 46(1.95,3.175) 47(-1.95,1.905) 48(1.95,1.905) 49(-1.95,0.635) 50(1.95,0.635) 51(-1.95,-0.635) 52(1.95,-0.635) 53(-1.95,-1.905) 54(1.95,-1.905) 55(-1.95,-3.175) 56(1.95,-3.175) 57(-1.95,-4.445) 58(1.95,-4.445) 59(-1.95,-5.715) 60(1.95,-5.715) 61(-1.95,-6.985) 62(1.95,-6.985) 63(-1.95,-8.255) 64(1.95,-8.255) 65(-1.95,-9.525) 66(1.95,-9.525) 67(-1.95,-10.795) 68(1.95,-10.795) 69(-1.95,-12.065) 70(1.95,-12.065) 71(-1.95,-13.335) 72(1.95,-13.335) 73(-1.95,-14.605) 74(1.95,-14.605) 75(-1.95,-15.875) 76(1.95,-15.875) 77(-1.95,-17.145) 78(1.95,-17.145) 79(-1.95,-18.415) 80(1.95,-18.415) 81(-1.95,-19.685) 82(1.95,-19.685) 83(-1.95,-20.955) 84(1.95,-20.955) 85(-1.95,-22.225) 86(1.95,-22.225) 87(-1.95,-23.495) 88(1.95,-23.495) 89(-1.95,-24.765) 90(1.95,-24.765) 92(1.95,-26.035) 93(-1.95,-27.305) 94(1.95,-27.305) 95(-1.95,-28.575) 96(1.95,-28.575) 97(-1.95,-29.845) 98(1.95,-29.845) 99(-1.95,-31.115) 100(1.95,-31.115)
  rect 2.4x0.74 smd paste+0: 91(-1.95,-26.035)
  silkscreen extent -2.08,-31.8 0.35,32.16
SOT-23 [mm] "SOT23, 3-Leads, Body 3.04x1.4mm, Pitch 0.95mm, IPC Medium Density"
  rect 1.3x0.6 smd: 1(-1.05,0.95) 2(-1.05,-0.95) 3(1.05,0)
  silkscreen extent 0,-1.5 0.7,1.5, body extent -1.4,-1.45 1.4,1.45, height 1.3
TSSOP20 [mm] "TSOP, 20-Leads, Body 6.5x4.4mm, Pitch 0.65mm, IPC Low Density"
  oval 2x0.35 smd: 1(-2.9,2.925) 2(-2.9,2.275) 3(-2.9,1.625) 4(-2.9,0.975) 5(-2.9,0.325) 6(-2.9,-0.325) 7(-2.9,-0.975) 8(-2.9,-1.625) 9(-2.9,-2.275) 10(-2.9,-2.925) 11(2.9,-2.925) 12(2.9,-2.275) 13(2.9,-1.625) 14(2.9,-0.975) 15(2.9,-0.325) 16(2.9,0.325) 17(2.9,0.975) 18(2.9,1.625) 19(2.9,2.275) 20(2.9,2.925)
  silkscreen extent -3.02,-3.3 1.5,3.77, body extent -3.13,-3.35 3.15,3.15, height 1.09
TSSOP65P640X120-8N [mm] "TSSOP, 8 Leads, Body 3.1x4.5mm (max), Pitch 0.65mm, IPC Medium Density"
  round 0.508 on Mech15: 0(0,0)
  oval 1.5x0.4 smd paste-0.051: 1(-2.9,0.975) 2(-2.9,0.325) 3(-2.9,-0.325) 4(-2.9,-0.975) 5(2.9,-0.975) 6(2.9,-0.325) 7(2.9,0.325) 8(2.9,0.975)
  silkscreen extent -1.8,-1.6 1.8,1.6, body extent -3.25,-1.55 3.25,1.55, height 1.19
zTurn [mm] "SOP, 100-Leads, Body 63.55x1.50mm, Pitch 1.27mm, IPC High Density"
  rect 2.4x0.74 smd: 1(1.95,24.765) 2(-1.95,24.765) 3(1.95,23.495) 4(-1.95,23.495) 5(1.95,22.225) 6(-1.95,22.225) 7(1.95,20.955) 8(-1.95,20.955) 9(1.95,19.685) 10(-1.95,19.685) 11(1.95,18.415) 12(-1.95,18.415) 13(1.95,17.145) 14(-1.95,17.145) 15(1.95,15.875) 16(-1.95,15.875) 17(1.95,14.605) 18(-1.95,14.605) 19(1.95,13.335) 20(-1.95,13.335) 21(1.95,12.065) 22(-1.95,12.065) 23(1.95,10.795) 24(-1.95,10.795) 25(1.95,9.525) 26(-1.95,9.525) 27(1.95,8.255) 28(-1.95,8.255) 29(1.95,6.985) 30(-1.95,6.985) 31(1.95,5.715) 32(-1.95,5.715) 33(1.95,4.445) 34(-1.95,4.445) 35(1.95,3.175) 36(-1.95,3.175) 37(1.95,1.905) 38(-1.95,1.905) 39(1.95,0.635) 40(-1.95,0.635) 41(1.95,-0.635) 42(-1.95,-0.635) 43(1.95,-1.905) 44(-1.95,-1.905) 45(1.95,-3.175) 46(-1.95,-3.175) 47(1.95,-4.445) 48(-1.95,-4.445) 49(1.95,-5.715) 50(-1.95,-5.715) 51(1.95,-6.985) 52(-1.95,-6.985) 53(1.95,-8.255) 54(-1.95,-8.255) 55(1.95,-9.525) 56(-1.95,-9.525) 57(1.95,-10.795) 58(-1.95,-10.795) 59(1.95,-12.065) 60(-1.95,-12.065) 61(1.95,-13.335) 62(-1.95,-13.335) 63(1.95,-14.605) 64(-1.95,-14.605) 65(1.95,-15.875) 66(-1.95,-15.875) 67(1.95,-17.145) 68(-1.95,-17.145) 69(1.95,-18.415) 70(-1.95,-18.415) 71(1.95,-19.685) 72(-1.95,-19.685) 73(1.95,-20.955) 74(-1.95,-20.955) 75(1.95,-22.225) 76(-1.95,-22.225) 77(1.95,-23.495) 78(-1.95,-23.495) 79(1.95,-24.765) 80(-1.95,-24.765)
  silkscreen extent -0.35,-25.45 2.07,25.81